# Altium PCB 电解模块主控板_V1.0_ZM_20210726.PcbDoc (part 2 of 2)
Units mm, origin at the board's own origin, x right, y up, seen from the top; angles counter-clockwise.
Board outline 150.25 x 100.26 mm, 2 copper layers (Top Layer, Bottom Layer); 209 components, 149 nets, 716 pads, 1259 vias.
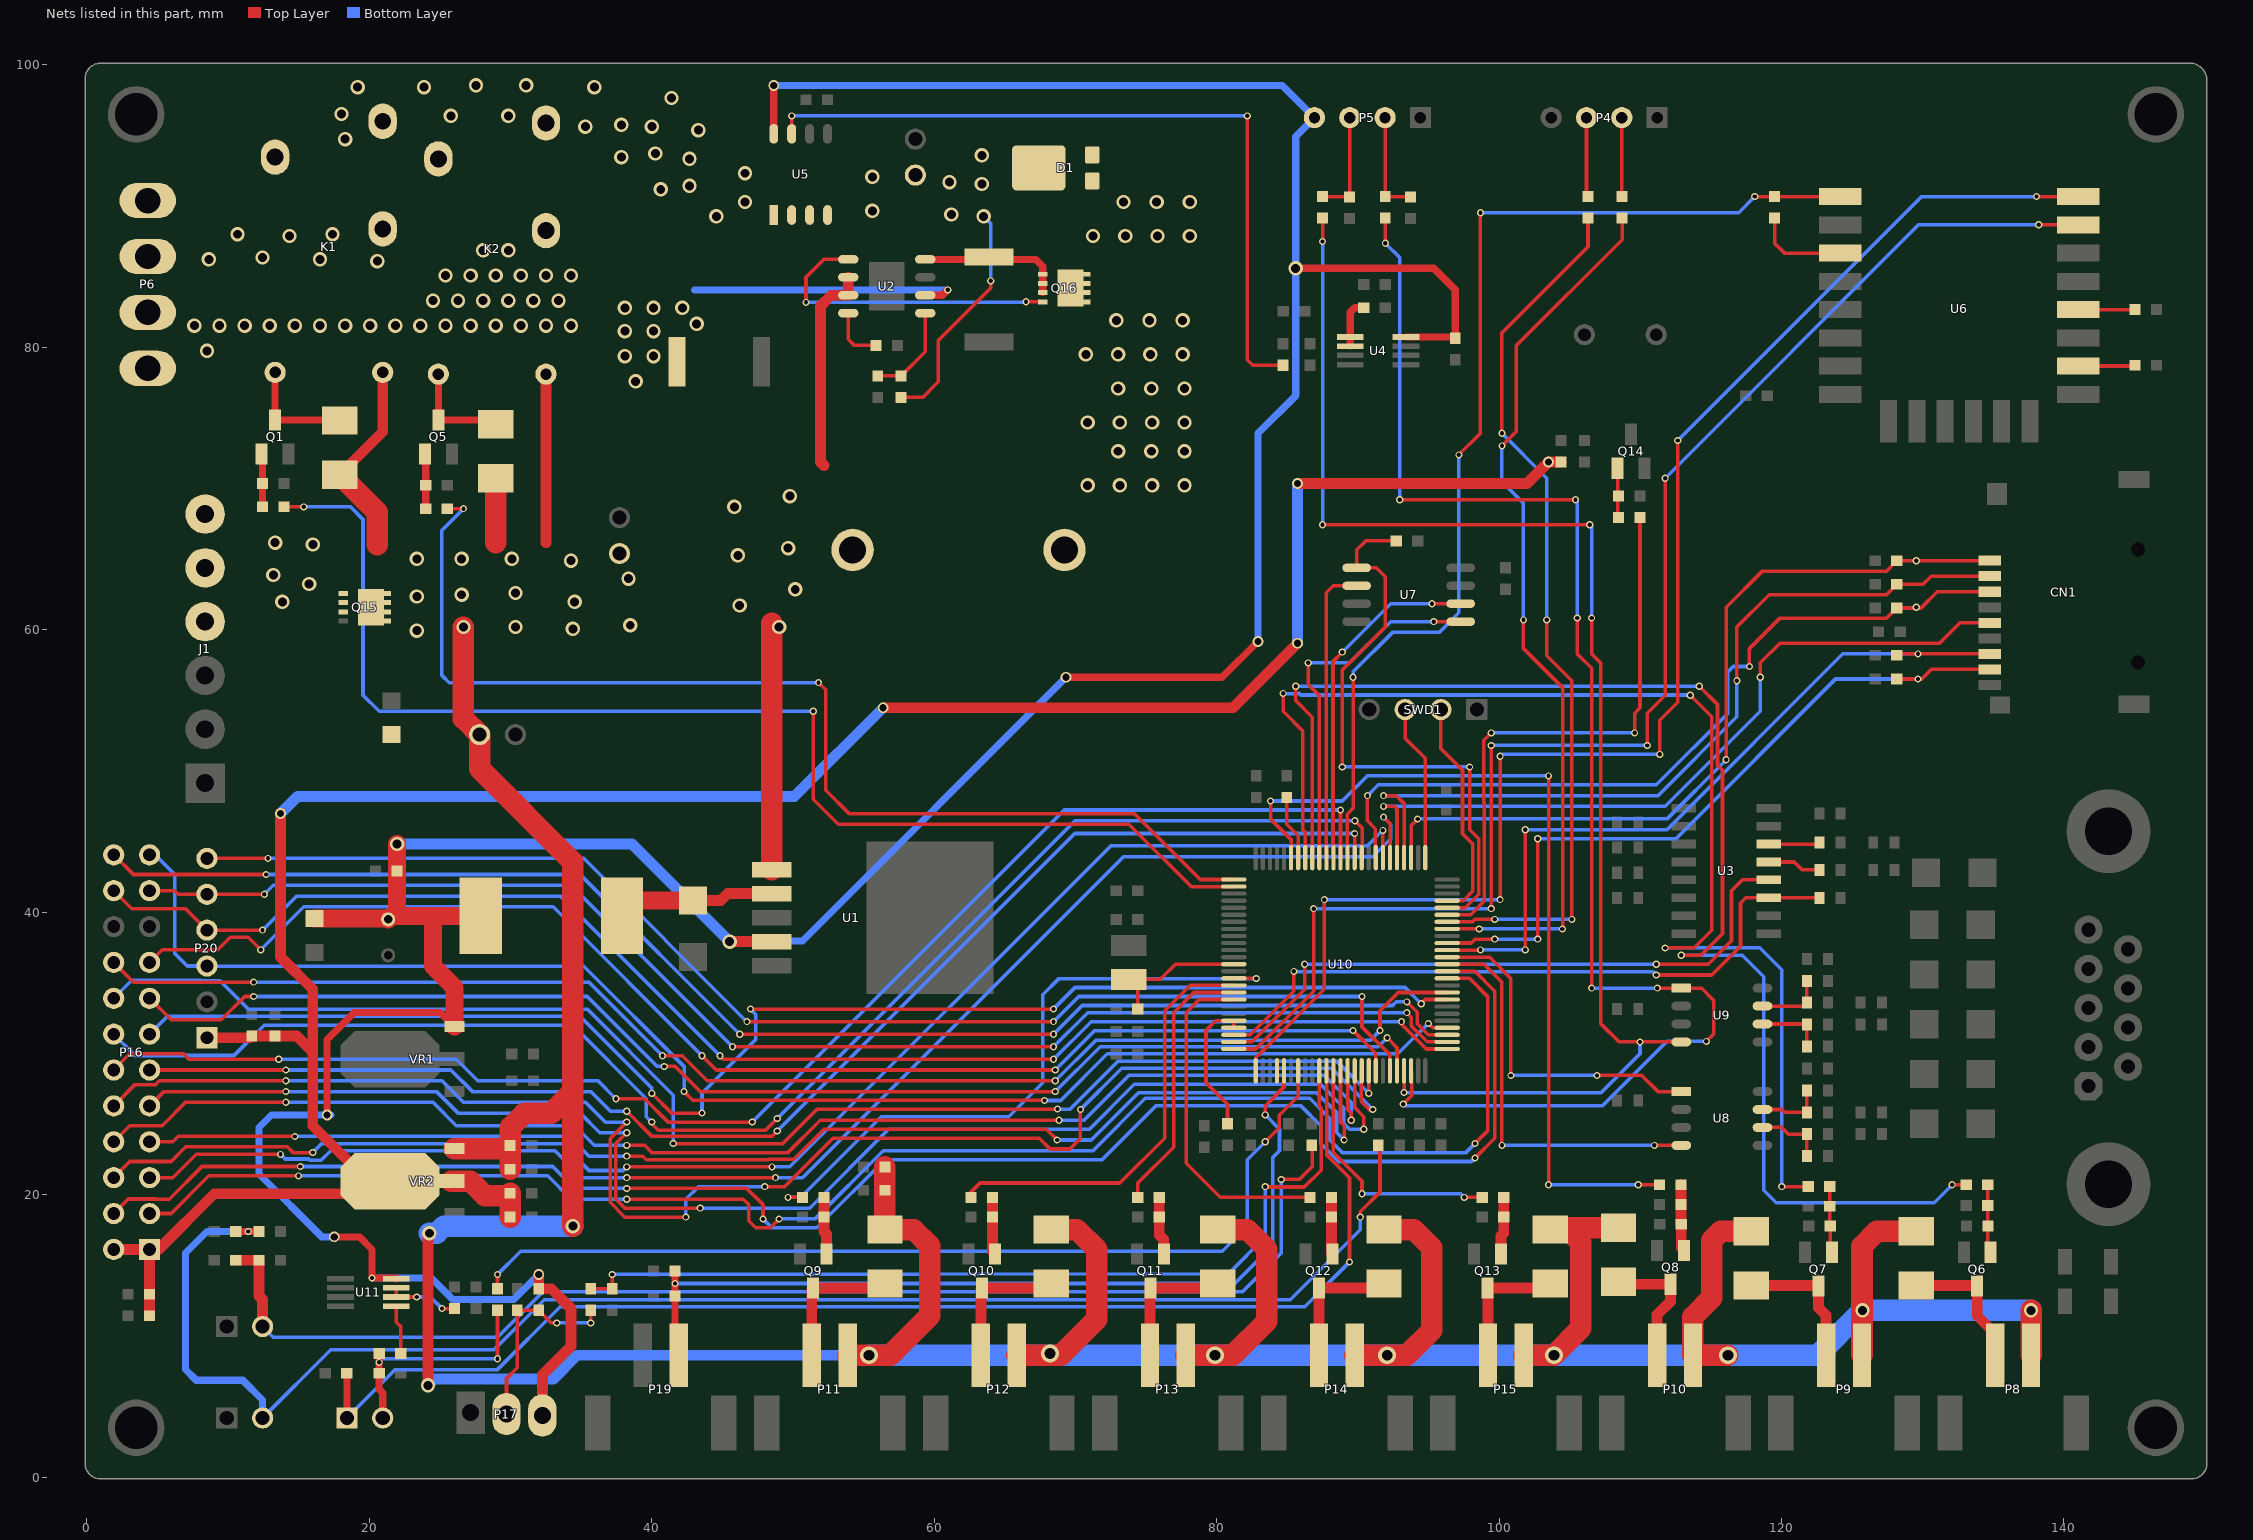
[diagram p2: the nets of this part, all layers, seen from the top]

## Via types
v1: diameter 1.016, hole 0.635, Top Layer to Bottom Layer, tented both sides, 1001 vias
v2: diameter 0.508, hole 0.305, Top Layer to Bottom Layer, tented both sides, 238 vias
v3: diameter 0.762, hole 0.508, Top Layer to Bottom Layer, tented both sides, 14 vias
v4: diameter 1.27, hole 0.762, Top Layer to Bottom Layer, tented both sides, 6 vias

## Nets (pads, with @x,y where several pads share a name; then routed paths per layer and width w, separated by ;. In a path a pad name is that pad's centre, name@x,y a point inside that pad or via, vN(x,y) a via of type N, cw(c..) or ccw(c..) an arc to the next point about the centre after c; other vN are vias at no path point) (continued)
NetC46_2: C46.2 P19.1 R48.1 U10.30 | length 63
  Top Layer w0.254: v2(83.439,25.654) 83.439,26.289 84.773,27.623 U10.30@84.773,28.772
  Top Layer w0.508: R48.1@41.656,14.605 v2(41.656,13.716) C46.2@41.656,12.827 41.656,10.16 41.91,9.906 P19.1@41.91,8.636
  Bottom Layer w0.254: v2(41.656,13.716) 81.28,13.716 83.972,16.408 83.972,22.631 84.455,23.114 84.455,24.638 v2(83.439,25.654)
NetC50_1: C50.1 U10.13 Y1.1 | length 10.2
  Top Layer w0.254: C50.1@74.422,33.147 74.422,34.614 Y1.1@73.787,35.249 76.016,35.249 77.089,36.322 U10.13@81.223,36.322
NetCN1_1: CN1.1 R63.2 U10.78 | length 57.3
  Top Layer w0.254: U10.78@93.773,43.872 93.773,46.148 v2(94.234,46.609) ; v2(116.078,50.8) 116.078,61.595 118.618,64.135 127.406,64.135 R63.2@128.168,64.897 v2(129.54,64.897) CN1.1@134.747,64.897
  Bottom Layer w0.254: v2(94.234,46.609) 111.887,46.609 v2(116.078,50.8)
NetCN1_2: CN1.2 R64.2 U10.79 | length 58.6
  Top Layer w0.254: v2(91.821,48.26) 92.71,48.26 93.273,47.697 U10.79@93.273,43.872 ; v2(116.84,56.388) 116.84,60.198 119.126,62.484 127.432,62.484 R64.2@128.168,63.221 130.023,63.221 130.599,63.797 CN1.2@134.747,63.797
  Bottom Layer w0.254: v2(91.821,48.26) 111.252,48.26 116.84,53.848 v2(116.84,56.388)
NetCN1_3: CN1.3 R65.2 U10.83 | length 57.1
  Top Layer w0.254: v2(90.678,48.26) 90.678,46.482 91.24,45.92 91.24,43.905 U10.83@91.273,43.872 ; v2(117.729,57.404) 117.729,58.674 119.888,60.833 127.457,60.833 R65.2@128.168,61.544 129.87,61.544 131.023,62.697 CN1.3@134.747,62.697
  Bottom Layer w0.254: v2(90.678,48.26) 91.44,49.022 111.125,49.022 116.205,54.102 116.205,57.023 116.586,57.404 v2(117.729,57.404)
  other v2: 129.54,61.595
NetCN1_5: CN1.5 U10.80 | length 54.8
  Top Layer w0.254: v2(91.821,47.498) 92.583,47.498 92.773,47.308 U10.80@92.773,43.872 ; v2(118.491,56.642) 118.491,57.658 119.888,59.055 131.191,59.055 132.633,60.497 CN1.5@134.747,60.497
  Bottom Layer w0.254: v2(91.821,47.498) 111.76,47.498 118.491,54.229 v2(118.491,56.642)
NetCN1_7: CN1.7 R66.2 U10.65 | length 53.7
  Top Layer w0.254: U10.65@96.323,37.322 98.695,37.322 v2(98.679,37.338) ; v2(101.854,37.338) v2(101.854,45.847) ; R66.2@128.168,58.191 128.274,58.297 v2(129.667,58.297) CN1.7@134.747,58.297
  Bottom Layer w0.254: v2(98.679,37.338) v2(101.854,37.338) ; v2(101.854,45.847) 111.887,45.847 124.337,58.297 v2(129.667,58.297)
NetCN1_8: CN1.8 R67.2 U10.66 | length 52.1
  Top Layer w0.254: U10.66@96.323,37.822 98.02,37.822 98.298,38.1 v2(99.695,38.1) ; v2(102.743,38.1) v2(102.743,45.212) ; R67.2@128.168,56.515 v2(129.667,56.515) 129.921,56.515 130.603,57.197 CN1.8@134.747,57.197
  Bottom Layer w0.254: v2(99.695,38.1) v2(102.743,38.1) ; v2(102.743,45.212) 112.522,45.212 123.825,56.515 v2(129.667,56.515)
NetD1_1: D1.1 L2.2 Q16.2
  other v1: 70.866,70.231 73.152,70.231 75.438,70.231 77.724,70.231 73.025,72.644 75.374,72.644 77.724,72.644 70.866,74.676 73.152,74.676 75.438,74.676 77.724,74.676 73.025,77.089 75.374,77.089 77.724,77.089 70.739,79.502 73.025,79.502 75.311,79.502 77.597,79.502 72.898,81.915 75.248,81.915 77.597,81.915 71.247,87.884 73.533,87.884 75.819,87.884 78.105,87.884 73.406,90.297 75.755,90.297 78.105,90.297
NetD3_2: D3.2 L1.1 U1.2 | length 11.3
  Top Layer w0.762: L1.1@37.893,39.751 L1.1@38.972,40.83 ; D3.2@42.926,40.83 44.894,40.83 45.388,41.324 U1.2@48.514,41.324
  Top Layer w1.27: L1.1@38.972,40.83 D3.2@42.926,40.83
NetD4_1: D4.1 K1.4 Q1.3 | length 8
  Top Layer w0.508: K1.4@13.335,78.232 Q1.3@13.335,74.86 17.86,74.86 D4.1@17.907,74.813
NetD5_1: D5.1 K2.4 Q5.3 | length 7.4
  Top Layer w0.508: K2.4@24.892,78.105 Q5.3@24.892,74.86 28.655,74.86 D5.1@28.956,74.559
NetD6_1: D6.1 P8.2 Q6.3 | length 9.8
  Top Layer w0.762: D6.1@129.54,13.579 133.811,13.579 Q6.3@133.858,13.532 133.858,11.43 135.128,10.16 P8.2@135.128,8.636
NetD7_1: D7.1 P9.2 Q7.3 | length 9.9
  Top Layer w0.762: D7.1@117.856,13.579 122.571,13.579 Q7.3@122.618,13.532 122.618,12.002 123.158,11.462 P9.2@123.158,8.636
NetD8_1: D8.1 P10.2 Q8.3 | length 9.2
  Top Layer w0.762: D8.1@108.458,13.833 108.632,13.659 Q8.3@112.141,13.659 112.141,12.446 111.188,11.493 P10.2@111.188,8.636
NetD9_1: D9.1 P11.2 Q9.3 | length 10
  Top Layer w0.762: P11.2@51.34,8.636 51.34,13.31 Q9.3@51.435,13.405 56.214,13.405 D9.1@56.515,13.706
NetD10_1: D10.1 P12.2 Q10.3 | length 9.8
  Top Layer w0.762: P12.2@63.309,8.636 63.309,13.341 Q10.3@63.373,13.405 67.993,13.405 D10.1@68.294,13.706
NetD11_1: D11.1 P13.2 Q11.3 | length 9.7
  Top Layer w0.762: P13.2@75.279,8.636 75.279,13.373 Q11.3@75.311,13.405 79.772,13.405 D11.1@80.073,13.706
NetD12_1: D12.1 P14.2 Q12.3 | length 9.5
  Top Layer w0.762: P14.2@87.249,8.636 Q12.3@87.249,13.405 91.552,13.405 D12.1@91.853,13.706
NetD13_1: D13.1 P15.2 Q13.3 | length 9.4
  Top Layer w0.762: P15.2@99.219,8.636 99.219,13.373 Q13.3@99.187,13.405 103.331,13.405 D13.1@103.632,13.706
NetJ1_4: J1.4 J1.5 J1.6 Q15.3
  other v1: 13.843,61.976 15.748,63.246 13.208,63.881 16.002,66.04 13.335,66.167
NetK1_1: K1.1 P6.3 P6.4
  other v1: 20.574,86.106 8.636,86.233 16.51,86.233 12.446,86.36 14.351,87.884 10.668,88.011 17.399,88.011
NetK2_1: K2.1 P6.1 P6.2
  other v1: 8.509,79.756 7.62,81.534 9.398,81.534 11.176,81.534 12.954,81.534 14.732,81.534 16.51,81.534 18.288,81.534 20.066,81.534 21.844,81.534 23.622,81.534 25.4,81.534 27.178,81.534 28.956,81.534 30.734,81.534 32.512,81.534 34.29,81.534 24.511,83.312 26.289,83.312 28.067,83.312 29.845,83.312 31.623,83.312 33.401,83.312 25.4,85.09 27.178,85.09 28.956,85.09 30.734,85.09 32.512,85.09 34.29,85.09 28.067,86.868 29.845,86.868
NetL3_2: L3.2 U10.21 U10.22 | length 10
  Top Layer w0.254: L3.2@80.772,25.019 80.772,26.416 79.248,27.94 79.248,31.623 79.947,32.322 U10.21@81.223,32.322 U10.22@81.223,31.822
NetP1_1: P1.1 TVS5.2 U10.36 | length 93
  Top Layer w0.254: U10.36@87.773,28.772 87.808,28.737 87.808,22.809 89.408,21.209 v2(89.408,15.24)
  Top Layer w0.508: P1.1@18.415,4.191 TVS5.2@18.415,7.366
  Bottom Layer w0.254: P1.1@18.415,4.191 21.844,7.62 29.083,7.62 33.528,12.065 86.233,12.065 v2(89.408,15.24)
NetP1_2: P1.2 R14.2 R16.1 TVS6.2 | length 16.6
  Top Layer w0.254: v2(29.083,8.382) R14.2@29.083,11.811
  Top Layer w0.508: R16.1@20.701,8.763 v2(20.701,8.128) TVS6.2@20.701,7.366 20.701,6.223 20.955,5.969 P1.2@20.955,4.191
  Bottom Layer w0.254: v2(20.701,8.128) 20.955,8.382 v2(29.083,8.382)
NetP2_2: P2.2 R5.2 R7.1 TVS1.2 | length 112.5
  Top Layer w0.254: 11.684,17.399 R5.2@12.192,17.399 ; v2(90.17,18.415) 90.17,18.796 91.567,20.193 91.567,23.368 R7.1@91.44,23.495
  Top Layer w0.508: TVS1.2@10.541,17.399 v2(11.43,17.399) 11.684,17.399
  Bottom Layer w0.254: P2.2@12.446,4.191 17.272,9.017 28.829,9.017 32.385,12.573 85.217,12.573 90.17,17.526 v2(90.17,18.415)
  Bottom Layer w0.508: v2(11.43,17.399) 8.509,17.399 6.985,15.875 6.985,7.62 7.747,6.858 11.049,6.858 12.446,5.461 P2.2@12.446,4.191
NetP3_2: P3.2 R6.2 R8.1 TVS2.2 | length 90.7
  Top Layer w0.254: v2(84.582,21.082) 85.852,21.082 86.766,21.996 86.766,23.47 R8.1@86.741,23.495
  Top Layer w0.762: TVS2.2@10.541,15.367 R6.2@12.192,15.367 12.192,12.827 12.446,12.573 P3.2@12.446,10.668
  Bottom Layer w0.254: P3.2@12.446,10.668 13.208,9.906 29.083,9.906 32.322,13.144 81.852,13.144 84.582,15.875 v2(84.582,21.082)
NetP4_2: P4.2 R11.1 | length 5.6
  Top Layer w0.254: P4.2@108.692,96.266 108.692,90.698 R11.1@108.712,90.678
NetP4_3: P4.3 R9.1 | length 5.6
  Top Layer w0.254: P4.3@106.192,96.266 106.192,90.785 R9.1@106.299,90.678
NetP5_2: P5.2 R12.1 TVS4.2 | length 7.4
  Top Layer w0.254: P5.2@91.928,96.266 91.928,90.698 R12.1@91.948,90.678 93.701,90.678 TVS4.2@93.726,90.653
NetP5_3: P5.3 R10.1 TVS3.2 | length 7.5
  Top Layer w0.254: R10.1@87.503,90.678 89.383,90.678 TVS3.2@89.408,90.653 89.428,90.673 P5.3@89.428,96.266
NetP16_3: P16.3 U10.61 | length 117.9
  Top Layer w0.254: P16.3@4.445,18.669 5.969,18.669 8.636,21.336 v2(14.986,21.336) ; v2(38.227,19.685) 46.482,19.685 46.863,19.304 46.863,18.161 47.371,17.653 48.387,17.653 v2(49.022,18.288) ; U10.61@96.323,35.322 97.901,35.322 99.187,34.036 99.187,24.511 v2(98.298,23.622)
  Bottom Layer w0.254: v2(14.986,21.336) 32.639,21.336 34.29,19.685 v2(38.227,19.685) ; v2(49.022,18.288) 51.562,18.288 56.388,23.114 71.247,23.114 74.955,26.822 86.589,26.822 88.011,25.4 88.011,23.876 88.9,22.987 97.663,22.987 v2(98.298,23.622)
NetP16_4: P16.4 U10.62 | length 122.6
  Top Layer w0.254: P16.4@1.905,18.669 2.934,19.698 4.871,19.698 4.885,19.685 5.842,19.685 8.153,21.996 v2(15.123,21.996) ; v2(38.227,20.447) 46.736,20.447 47.879,19.304 v2(47.879,18.288) ; U10.62@96.323,35.822 98.29,35.822 99.695,34.417 99.695,24.003 v2(98.298,22.606)
  Bottom Layer w0.254: v2(15.123,21.996) 32.995,21.996 34.544,20.447 v2(38.227,20.447) ; v2(47.879,18.288) 48.514,17.653 51.689,17.653 56.515,22.479 71.882,22.479 75.692,26.289 85.979,26.289 87.376,24.892 87.376,23.622 88.646,22.352 98.044,22.352 v2(98.298,22.606)
NetP16_5: P16.5 U10.81 | length 104.7
  Top Layer w0.254: P16.5@4.445,21.209 6.096,21.209 7.747,22.86 v2(13.716,22.86) ; v2(38.227,21.209) v2(48.768,21.209) ; v2(91.821,46.736) 92.306,46.251 92.306,43.905 U10.81@92.273,43.872
  Bottom Layer w0.254: v2(13.716,22.86) 14.046,22.53 15.705,22.53 15.781,22.454 16.612,22.454 17.272,23.114 33.147,23.114 35.052,21.209 v2(38.227,21.209) ; v2@48.641,21.209 v2(48.768,21.209) 50.673,21.209 73.406,43.942 91.059,43.942 92.329,45.212 92.329,46.228 v2(91.821,46.736)
NetP16_6: P16.6 U10.82 | length 103.8
  Top Layer w0.254: P16.6@1.905,21.209 3.048,22.352 5.969,22.352 7.01,23.393 14.199,23.393 14.605,22.987 v2(16.002,22.987) ; v2(38.227,21.971) v2(48.514,21.971) ; U10.82@91.773,43.872 v2(91.773,45.799)
  Bottom Layer w0.254: v2(16.002,22.987) 16.637,23.622 33.655,23.622 35.56,21.717 37.973,21.717 v2(38.227,21.971) ; v2@48.641,21.971 49.784,21.971 72.517,44.704 90.678,44.704 v2(91.773,45.799)
NetP16_7: P16.7 U10.38 | length 95.2
  Top Layer w0.254: P16.7@4.445,23.749 6.096,23.749 6.477,24.13 v2(14.732,24.13) ; v2(38.227,22.733) 39.37,22.733 39.624,22.479 48.268,22.479 48.293,22.504 50.063,22.504 52.197,24.638 67.945,24.638 v2(68.707,23.876) ; U10.38@88.773,28.772 88.773,25.146 89.027,24.892 v2(89.027,23.876)
  Bottom Layer w0.254: v2(14.732,24.13) 34.163,24.13 35.56,22.733 v2(38.227,22.733) ; v2(68.707,23.876) 71.12,23.876 74.473,27.229 87.071,27.229 88.519,25.781 88.519,24.384 v2(89.027,23.876)
NetP16_8: P16.8 U10.39 | length 98.2
  Top Layer w0.254: P16.8@1.905,23.749 3.048,24.892 5.334,24.892 6.985,26.543 v2(14.097,26.543) ; v2(38.227,23.495) 39.497,23.495 40.005,22.987 49.657,22.987 51.943,25.273 v2(68.834,25.273) ; U10.39@89.273,28.772 89.273,26.043 89.535,25.781 v2(89.535,25.273)
  Bottom Layer w0.254: v2(14.097,26.543) 24.511,26.543 26.162,24.892 34.544,24.892 35.941,23.495 v2(38.227,23.495) ; v2(68.834,25.273) 70.612,25.273 73.787,28.448 87.63,28.448 89.535,26.543 v2(89.535,25.273)
NetP16_9: P16.9 U10.40 | length 103.6
  Top Layer w0.254: P16.9@4.445,26.289 5.461,27.305 v2(14.097,27.305) ; v2(38.227,24.384) 37.465,23.622 37.465,19.693 38.108,19.05 v2(43.434,19.05) ; U10.40@89.773,28.772 89.773,26.178 90.424,25.527 v2(90.424,24.638)
  Bottom Layer w0.254: v2(14.097,27.305) 24.765,27.305 26.289,25.781 34.925,25.781 36.322,24.384 v2(38.227,24.384) ; v2(43.434,19.05) 51.181,19.05 56.769,24.638 70.993,24.638 74.168,27.813 87.351,27.813 89.002,26.162 89.002,25.052 89.416,24.638 v2(90.424,24.638)
NetP16_10: P16.10 U10.41 | length 110.3
  Top Layer w0.254: P16.10@1.905,26.289 3.416,27.8 4.871,27.8 5.139,28.067 v2(14.097,28.067) ; v2(38.227,25.146) 37.059,23.978 37.059,19.456 38.1,18.415 v2(42.418,18.415) ; v2(48.006,20.574) 49.403,20.574 52.832,24.003 67.437,24.003 68.199,23.241 69.596,23.241 70.358,24.003 v2(70.358,26.035) ; U10.41@90.273,28.772 90.24,28.739 90.24,26.6 90.805,26.035 v2(91.059,26.035)
  Bottom Layer w0.254: v2(14.097,28.067) 25.146,28.067 26.67,26.543 35.306,26.543 36.703,25.146 v2(38.227,25.146) ; v2(42.418,18.415) 42.418,19.685 43.307,20.574 v2(48.006,20.574) ; v2(70.358,26.035) 73.279,28.956 88.138,28.956 v2(91.059,26.035)
NetP16_11: P16.11 U10.86 | length 97.8
  Top Layer w0.254: P16.11@4.445,28.829 v2(14.097,28.829) ; v2(38.227,25.908) 39.98,24.155 48.539,24.155 v2(48.895,24.511) ; U10.86@89.773,43.872 v2(89.773,45.577)
  Bottom Layer w0.254: v2(14.097,28.829) 25.781,28.829 27.305,27.305 35.687,27.305 37.084,25.908 v2(38.227,25.908) ; v2(48.895,24.511) 69.961,45.577 v2(89.773,45.577)
NetP16_12: P16.12 U10.88 | length 101.9
  Top Layer w0.254: P16.12@1.905,28.829 3.048,29.972 6.858,29.972 7.239,29.591 v2(13.589,29.591) ; v2(37.465,26.797) 39.497,26.797 41.148,25.146 v2(47.117,25.146) ; U10.88@88.773,43.872 v2(88.773,47.244)
  Bottom Layer w0.254: v2(13.589,29.591) 26.162,29.591 27.686,28.067 36.195,28.067 v2(37.465,26.797) ; v2(47.117,25.146) 69.215,47.244 v2(88.773,47.244)
NetP16_13: P16.13 U10.58 | length 102.4
  Top Layer w0.254: v2(40.005,27.178) 41.402,25.781 v2(43.561,25.781) ; v2(46.99,33.147) v2(68.453,33.147) ; v2(94.488,33.528) 94.782,33.822 U10.58@96.323,33.822
  Bottom Layer w0.254: P16.13@4.445,31.369 5.702,32.626 13.322,32.626 13.335,32.639 34.925,32.639 40.005,27.559 v2(40.005,27.178) ; v2(43.561,25.781) 43.561,27.178 47.371,30.988 47.371,32.766 v2(46.99,33.147) ; v2(68.453,33.147) 69.977,34.671 93.345,34.671 v2(94.488,33.528)
NetP16_14: P16.14 U10.85 | length 105.2
  Top Layer w0.254: v2(40.005,25.146) 40.005,25.019 40.462,24.562 48.057,24.562 v2(48.895,25.4) ; v2(89.789,46.482) 90.306,45.965 90.306,43.905 U10.85@90.273,43.872
  Bottom Layer w0.254: P16.14@1.905,31.369 3.416,29.858 10.427,29.858 12.56,31.991 34.43,31.991 39.624,26.797 39.624,25.527 v2(40.005,25.146) ; v2(48.895,25.4) 69.977,46.482 v2(89.789,46.482)
NetP16_15: P16.15 U10.46 | length 95.9
  Top Layer w0.254: P16.15@4.445,33.909 5.969,32.385 9.525,32.385 11.176,34.036 v2(11.811,34.036) ; v2(40.894,29.083) 41.656,29.083 43.434,27.305 v2(68.58,27.305) ; v2(92.075,31.115) 92.773,30.417 U10.46@92.773,28.772
  Bottom Layer w0.254: v2(11.811,34.036) 35.433,34.036 40.386,29.083 v2(40.894,29.083) ; v2(68.58,27.305) 71.755,30.48 91.44,30.48 v2(92.075,31.115)
NetP16_16: P16.16 U10.42 | length 101.2
  Top Layer w0.254: v2(41.529,23.622) 49.276,23.622 51.721,26.067 v2(68.739,26.067) ; v2(90.773,27.178) U10.42@90.773,28.772
  Bottom Layer w0.254: P16.16@1.905,33.909 3.175,35.179 8.069,35.179 8.083,35.166 9.411,35.166 11.43,33.147 35.433,33.147 41.529,27.051 v2(41.529,23.622) ; v2(68.739,26.067) 69.628,26.067 73.025,29.464 88.487,29.464 v2(90.773,27.178)
NetP16_17: P16.17 U10.43 | length 97
  Top Layer w0.254: P16.17@4.445,36.449 5.334,37.338 9.271,37.338 10.16,38.227 11.43,38.227 v2(12.319,37.338) ; v2(43.561,29.845) 44.577,28.829 v2(68.58,28.829) ; v2(89.662,31.623) 91.273,30.012 U10.43@91.273,28.772
  Bottom Layer w0.254: v2(12.319,37.338) 15.367,40.386 33.02,40.386 v2(43.561,29.845) ; v2(68.58,28.829) 71.374,31.623 v2(89.662,31.623)
NetP16_18: P16.18 U10.59 | length 101.3
  Top Layer w0.254: P16.18@1.905,36.449 3.302,35.052 v2(11.811,35.052) ; v2(40.767,29.845) 42.164,29.845 43.942,28.067 v2(68.58,28.067) ; v2(91.567,31.623) 91.567,33.02 92.869,34.322 U10.59@96.323,34.322
  Bottom Layer w0.254: v2(11.811,35.052) 35.56,35.052 v2(40.767,29.845) ; v2(68.58,28.067) 71.438,30.924 90.868,30.924 v2(91.567,31.623)
NetP16_21: P16.21 P20.5 U10.52 | length 99.2
  Top Layer w0.254: P16.21@4.445,41.529 6.223,41.529 6.477,41.275 P20.5@8.509,41.275 v2(12.573,41.275) ; v2(45.72,30.48) v2(68.453,30.48) ; v2(93.472,32.893) 93.789,32.575 93.789,31.954 94.921,30.822 U10.52@96.323,30.822
  Bottom Layer w0.254: v2(12.573,41.275) 13.208,41.91 34.29,41.91 v2(45.72,30.48) ; v2(68.453,30.48) 70.866,32.893 v2(93.472,32.893)
NetP16_22: P16.22 P20.4 U10.51 | length 103.4
  Top Layer w0.254: P16.22@1.905,41.529 3.175,40.259 6.985,40.259 P20.4@8.509,38.735 v2(12.446,38.735) ; v2(44.831,29.845) 45.085,29.591 v2(68.453,29.591) ; v2(93.091,32.258) 93.091,32.078 94.847,30.322 U10.51@96.323,30.322
  Bottom Layer w0.254: v2(12.446,38.735) 14.859,41.148 33.528,41.148 v2(44.831,29.845) ; v2(68.453,29.591) 71.12,32.258 v2(93.091,32.258)
NetP16_23: P16.23 P20.3 U10.54 | length 105.8
  Top Layer w0.254: v2(42.291,27.305) 42.901,26.695 67.793,26.695 v2(67.818,26.67) ; v2(94.996,32.131) 95.305,31.822 U10.54@96.323,31.822
  Bottom Layer w0.254: P16.23@4.445,44.069 4.826,44.069 6.223,42.672 6.223,37.084 7.112,36.195 P20.3@8.509,36.195 8.509,36.178 35.196,36.178 42.291,29.083 v2(42.291,27.305) ; v2(67.818,26.67) 68.961,26.67 72.263,29.972 92.837,29.972 v2(94.996,32.131)
NetP16_24: P16.24 U10.53 | length 102.1
  Top Layer w0.254: P16.24@1.905,44.069 3.302,42.672 v2(12.7,42.672) ; v2(46.228,31.369) v2(68.453,31.369) ; v2(93.472,33.655) 94.196,32.931 94.196,32.122 94.996,31.322 U10.53@96.323,31.322
  Bottom Layer w0.254: v2(12.7,42.672) 34.925,42.672 v2(46.228,31.369) ; v2(68.453,31.369) 70.485,33.401 92.456,33.401 92.71,33.655 v2(93.472,33.655)
NetP17_2: P17.2 R19.1 R50.2 TVS11.2 | length 14.1
  Top Layer w0.254: P17.2@29.718,4.472 29.718,6.985 30.48,7.747 TVS11.2@30.48,11.811 R50.2@32.004,11.811 32.893,10.922 v2(33.274,10.922) ; v2(35.687,10.922) R19.1@35.687,11.811
  Bottom Layer w0.254: v2(33.274,10.922) v2(35.687,10.922)
NetP20_6: P20.6 U10.45 | length 93.4
  Top Layer w0.254: P20.6@8.509,43.815 v2(12.827,43.815) ; v2(46.736,32.258) v2(68.453,32.258) ; v2(90.297,34.036) 90.297,31.877 92.273,29.901 U10.45@92.273,28.772
  Bottom Layer w0.254: v2(12.827,43.815) 35.179,43.815 v2(46.736,32.258) ; v2(68.453,32.258) 70.231,34.036 v2(90.297,34.036)
NetQ1_1: Q1.1 R20.2 R21.2 | length 3.8
  Top Layer w0.508: Q1.1@12.385,72.46 12.446,72.399 R21.2@12.446,70.358 R20.2@12.446,68.707
NetQ5_1: Q5.1 R27.2 R28.2 | length 3.9
  Top Layer w0.508: Q5.1@23.942,72.46 24.003,72.399 R28.2@24.003,70.231 R27.2@24.003,68.58
NetQ6_1: Q6.1 R31.1 R34.1 TVS8.2 | length 4.9
  Top Layer w0.254: R31.1@134.595,20.701 R34.1@134.595,19.241 134.595,16.145 Q6.1@134.808,15.932
NetQ7_1: Q7.1 R32.1 R35.1 TVS9.2 | length 4.7